# Allegro board FEE5_10_30.brd (continued)
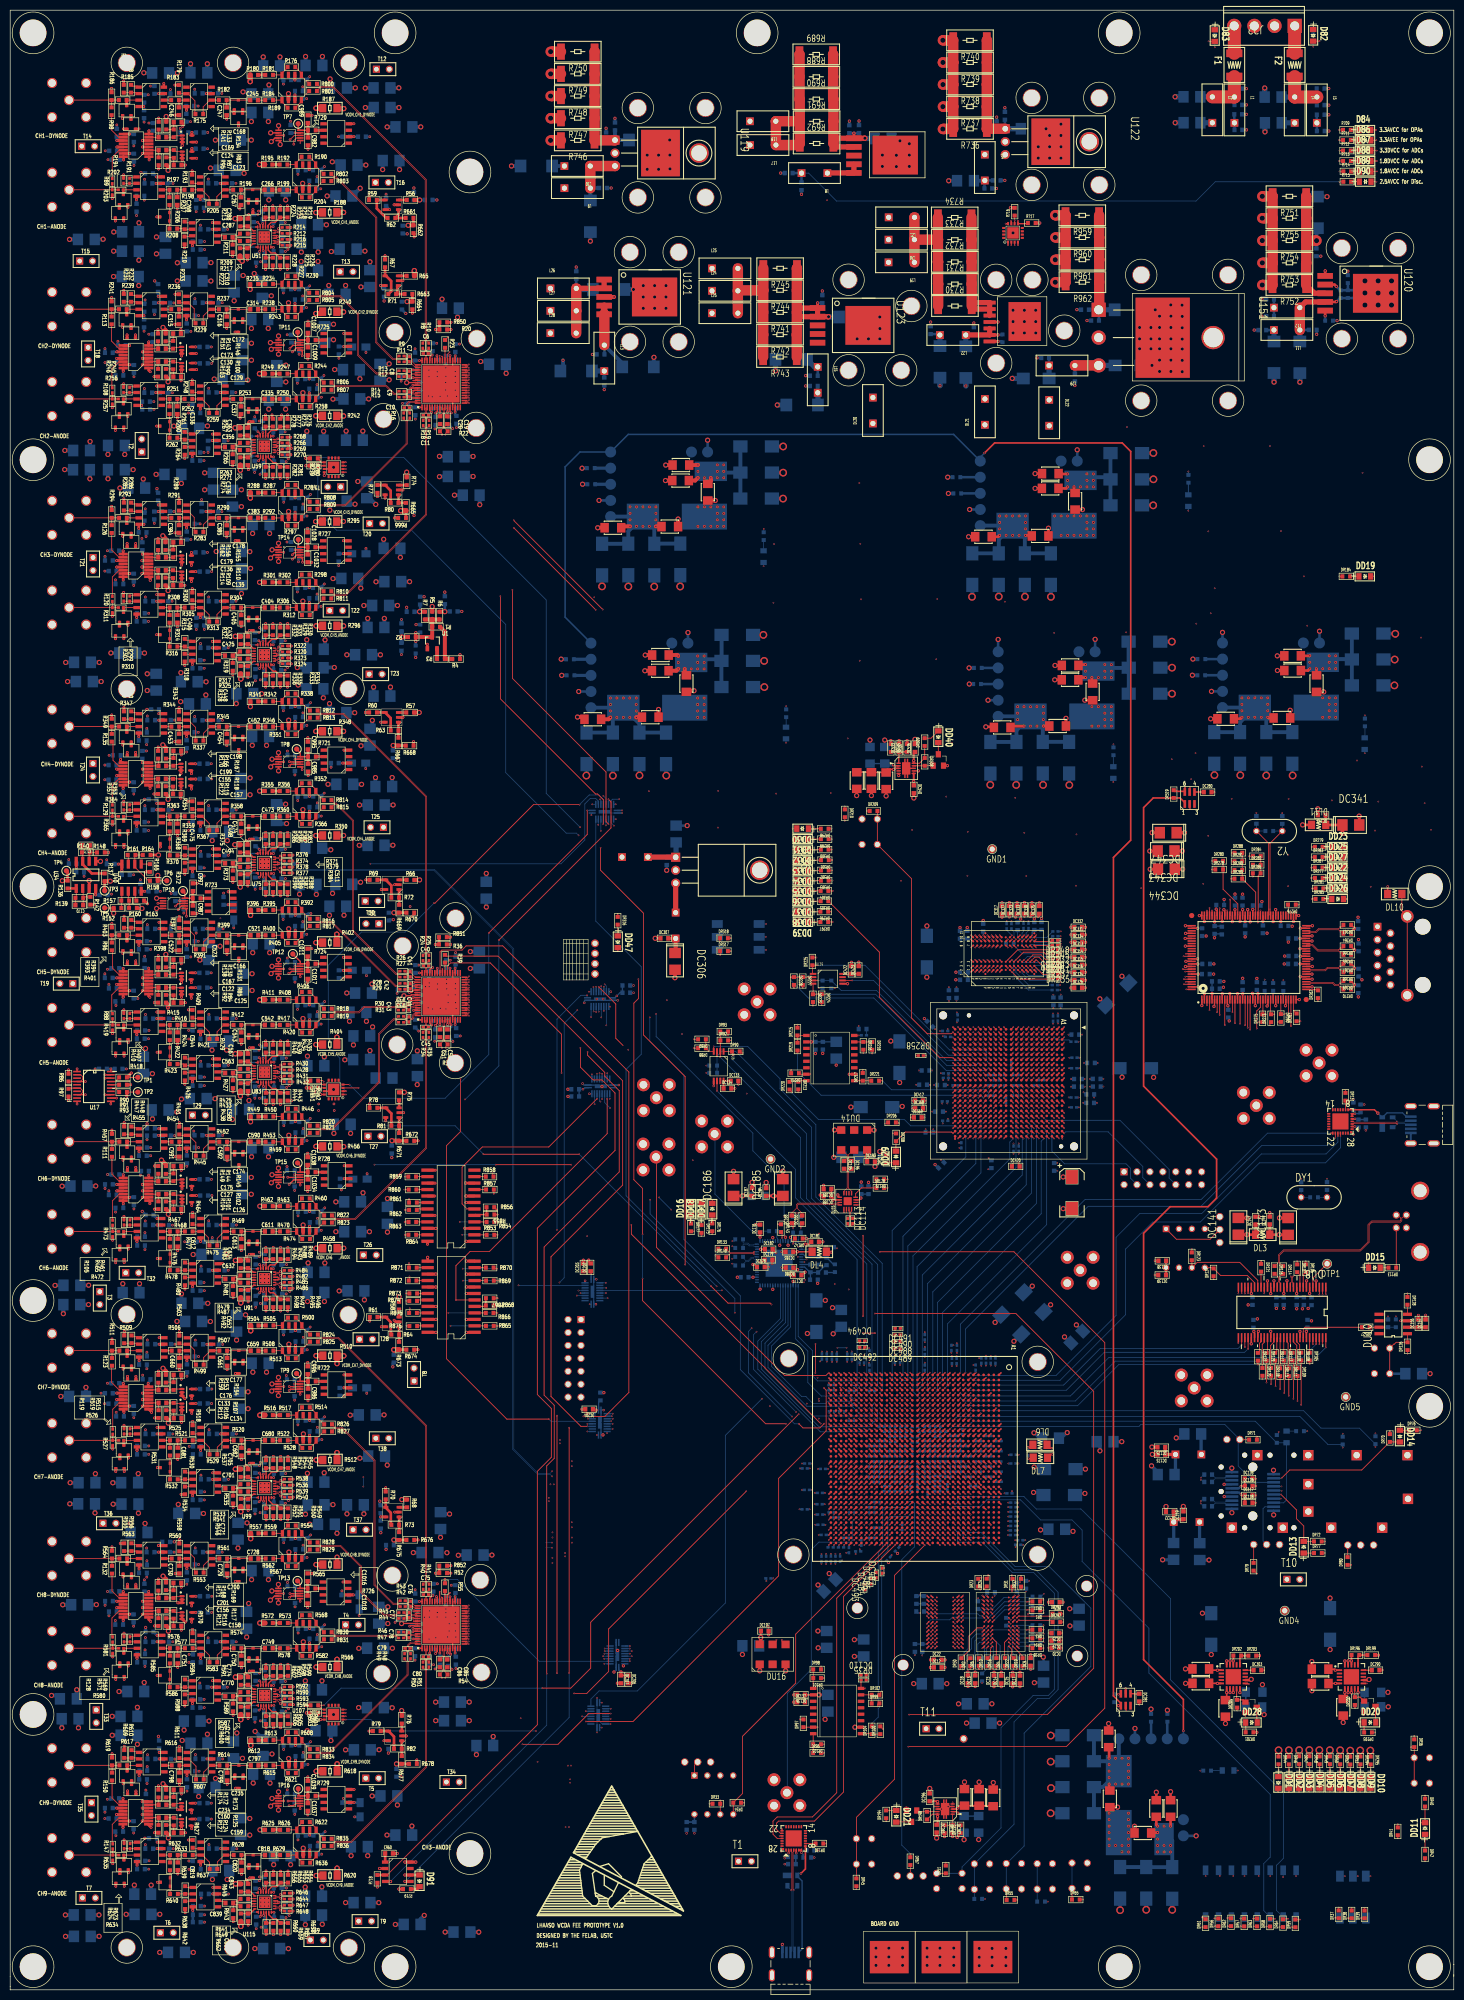
[diagram p0: board, top side]
## Placement (name value [footprint] x y rotation side) (continued)
J9  SMAREC  [SG0479]  220.11 8.81 180 bottom
J10  SMAREC  [SG0479]  220.11 -14.56 180 bottom
J11  SMAREC  [SG0479]  220.11 -32.18 180 bottom
J12  SMAREC  [SG0479]  220.12 -55.52 180 bottom
J13  SMAREC  [SG0479]  220.12 -73.16 180 bottom
J14  SMAREC  [SG0479]  220.12 -96.08 180 bottom
J15  SMAREC  [SG0479]  220.1 -113.71 180 bottom
J16  SMAREC  [SG0479]  220.1 -137.11 180 bottom
J17  SMAREC  [SG0479]  220.12 -154.73 180 bottom
J18  SMAREC  [SG0479]  220.11 -177.92 180 bottom
J19  SMAREC  [SG0479]  220.11 -195.54 180 bottom
J20  SMAREC  [SG0479]  220.11 -218.55 180 bottom
J21  SMAREC  [SG0479]  220.11 -236.17 180 bottom
J22  HEADER 4  [SIP-4P-156]  246.39 385.65 180 top
L1  10uH  [BL02RN2R1M2B]  240.49 369.14 270 top
L2  10uH  [BL02RN2R1M2B]  236.15 369.16 270 top
L4  10uH  [BL02RN2R1M2B]  252.33 369.14 270 top
L5  10uH  [BL02RN2R1M2B]  256.68 369.14 270 top
L8  10uH  [BL02RN2R1M2B]  158 356.74 180 top
L9  10uH  [BL02RN2R1M2B]  111.42 353.78 180 top
L10  10uH  [BL02RN2R1M2B]  111.41 358.12 180 top
L11  10uH  [BL02RN2R1M2B]  250.8 325.93 180 top
L12  10uH  [BL02RN2R1M2B]  250.8 330.32 180 top
L13  68uH  [BL02RN2R1M2B]  116.71 320.41 270 top
L14  10uH  [BL02RN2R1M2B]  191.46 357.82 270 top
L15  68uH  [BL02RN2R1M2B]  158.63 316.15 270 top
L17  10uH  [BL02RN2R1M2B]  147.88 362.24 180 top
L18  10uH  [BL02RN2R1M2B]  147.86 366.92 180 top
L19  10uH  [BL02RN2R1M2B]  175.09 339.21 180 top
L20  10uH  [BL02RN2R1M2B]  175.08 343.67 180 top
L21  10uH  [BL02RN2R1M2B]  175.11 348.05 180 top
L22  68uH  [BL02RN2R1M2B]  185.17 324.94 180 top
L23  68uH  [BL02RN2R1M2B]  140.41 338.03 0 top
L24  68uH  [BL02RN2R1M2B]  140.41 333.62 0 top
L25  68uH  [BL02RN2R1M2B]  140.41 329.22 0 top
L26  68uH  [BL02RN2R1M2B]  108.66 334.1 0 top
L27  68uH  [BL02RN2R1M2B]  108.66 329.69 0 top
L28  68uH  [BL02RN2R1M2B]  108.65 325.31 0 top
L29  10uH  [BL02RN2R1M2B]  206.61 318.96 180 top
NOREF  -  [unnamed]  34.78 98.75 0 top
NOREF#2  -  [unnamed]  2.59 87.8 0 top
NOREF#3  -  [unnamed]  -137.92 140.38 0 top
NOREF#4  -  [unnamed]  17.71 74.06 0 top
NOREF#5  -  [unnamed]  -112.8 86.24 0 top
NOREF#6  -  [unnamed]  -73.15 85.61 0 top
NOREF#7  -  [unnamed]  -137.92 -229.69 0 top
NOREF#8  -  [unnamed]  17.71 98.75 0 top
NOREF#9  -  [unnamed]  -3.66 97.78 0 top
NOREF#10  -  [unnamed]  -3.81 116.42 0 top
NOREF#11  -  [unnamed#2]  45.14 -19.59 0 top
NOREF#12  -  [unnamed]  -131.45 -175.93 0 top
NOREF#13  -  [unnamed]  -81.18 131.53 0 top
NOREF#14  -  [unnamed]  -127.38 -33.02 0 top
NOREF#15  -  [unnamed#2]  -229.18 148.05 0 top
NOREF#16  -  [unnamed#2]  -158.06 -231.68 0 top
NOREF#17  -  [#3]  101.64 13.33 0 top
NOREF#18  -  [unnamed]  9.48 133.5 0 top
NOREF#19  -  [unnamed#2]  -229.18 -182.15 0 top
NOREF#20  -  [unnamed#2]  -15.82 -231.68 0 top
NOREF#21  -  [unnamed#2]  -92.02 -231.68 0 top
NOREF#22  -  [unnamed]  -27.44 92.64 0 top
NOREF#23  -  [unnamed]  -181.57 140.38 0 top
NOREF#24  -  [unnamed#2]  -143.36 -209.47 0 top
NOREF#25  -  [unnamed]  -73.15 103.22 0 top
NOREF#26  -  [unnamed]  -50.62 -152.54 0 top
NOREF#27  -  [unnamed#2]  -15.82 148.05 0 top
NOREF#28  -  [unnamed]  -29.44 80.02 0 top
NOREF#29  -  [unnamed]  -67.89 131.53 0 top
NOREF#30  -  [unnamed]  57.12 86.21 0 top
NOREF#31  -  [unnamed#2]  45.17 -121.65 0 top
NOREF#32  -  [unnamed]  -3.81 133.5 0 top
NOREF#33  -  [unnamed]  -82.73 85.61 0 top
NOREF#34  -  [unnamed#2]  -86.94 148.05 0 top
NOREF#35  -  [unnamed]  34.78 74.06 0 top
NOREF#36  -  [#3]  0 388.73 0 top
NOREF#37  -  [unnamed]  -82.73 103.22 0 top
NOREF#38  -  [unnamed#2]  -229.18 -231.68 0 top
NOREF#39  -  [unnamed]  -160.69 140.38 0 top
NOREF#40  -  [unnamed#2]  45.14 64.23 0 top
NOREF#41  -  [unnamed]  57.12 104.01 0 top
NOREF#42  -  [unnamed#4]  -38.31 -176.74 0 top
NOREF#43  -  [unnamed]  -112.13 -157.54 0 top
NOREF#44  -  [unnamed]  -81.17 113.97 0 top
NOREF#45  -  [unnamed]  -117.06 -56.01 0 top
NOREF#46  -  [unnamed#2]  -143.36 120.73 0 top
NOREF#47  -  [unnamed]  -160.69 -229.69 0 top
NOREF#48  -  [unnamed]  -2.62 -152.54 0 top
NOREF#49  -  [unnamed#2]  -229.18 64.23 0 top
NOREF#50  -  [unnamed]  -128.92 87.5 0 top
NOREF#51  -  [unnamed#2]  -229.18 -100.87 0 top
NOREF#52  -  [unnamed]  -111.9 -175.65 0 top
NOREF#53  -  [unnamed#2]  -158.06 148.05 0 top
NOREF#54  -  [#3]  0 0 90 top
NOREF#55  -  [unnamed]  -131.15 70.4 0 top
NOREF#56  -  [unnamed]  -112.93 68.7 0 top
NOREF#57  -  [unnamed#4]  -29.32 -187.93 0 top
NOREF#58  -  [unnamed]  -138.01 -105.44 0 top
NOREF#59  -  [unnamed#4]  4.89 -186.17 0 top
NOREF#60  -  [unnamed]  -39.78 80.02 0 top
NOREF#61  -  [unnamed]  68.17 86.21 0 top
NOREF#62  -  [unnamed]  68.17 104.01 0 top
NOREF#63  -  [unnamed]  9.48 116.42 0 top
NOREF#64  -  [unnamed]  -129.39 -156.63 0 top
NOREF#65  -  [unnamed]  -67.89 113.97 0 top
NOREF#66  -  [unnamed]  -128.43 -52.39 0 top
NOREF#67  -  [unnamed]  -181.57 17.45 0 top
NOREF#68  -  [unnamed]  -39.78 97.8 0 top
NOREF#69  -  [unnamed#4]  6.74 -172.43 0 top
NOREF#70  -  [unnamed]  -181.57 -229.69 0 top
NOREF#71  -  [unnamed]  -10.78 97.78 0 top
NOREF#72  -  [unnamed]  -181.57 -105.36 0 top
NOREF#73  -  [unnamed]  -138.01 17.45 0 top
NOREF#74  -  [unnamed]  -2.62 -114.69 0 top
NOREF#75  -  [unnamed#2]  45.14 -231.68 0 top
NOREF#76  -  [unnamed]  -51.52 -114.03 0 top
NOREF#77  -  [unnamed]  -10.78 81.42 0 top
NOREF#78  -  [unnamed#2]  45.14 148.05 0 top
NOREF#79  -  [unnamed#2]  -229.18 -19.59 0 top
NOREF#80  -  [unnamed]  -116.99 -27.6 0 top
Q1  AO3400  [SOT-23]  267.09 55.67 270 top
Q2  AO3400  [SOT-23]  177.07 34.09 180 top
Q3  AO3400  [SOT-23]  243.77 55.48 270 top
Q5  AO3400  [SOT-23]  182.33 241.5 0 top
R1  10k  [SR0603]  83.67 267.64 0 top
R2  5k  [SR0603]  78.91 265.64 0 top
R3  470k  [SR0603]  84.63 261.33 0 top
R4  10k  [SR0603]  87.6 261.32 180 top
R5  0  [SR0603]  82.91 269.85 90 top
R6  0  [SR0603]  84.34 269.84 90 top
R7  0  [SR0603]  81.46 269.85 90 top
R8  33  [SR0402]  81.05 322.84 90 top
R9  33  [SR0402]  76.89 320.82 180 top
R10  33  [SR0402]  82.22 322.85 90 top
R11  33  [SR0402]  76.89 319.67 180 top
R12  33  [SR0402]  76.87 316.77 180 top
R13  33  [SR0402]  76.88 317.93 180 top
R14  33  [SR0402]  76.89 313.91 180 top
R15  33  [SR0402]  76.89 312.74 180 top
R16  33  [SR0402]  78.49 309.12 270 top
R17  33  [SR0402]  77.31 309.12 270 top
R18  33  [SR0402]  81.13 307.67 270 top
R19  33  [SR0402]  82.29 307.67 270 top
R20  10k  [SR0603]  85.08 326.02 0 top
R21  10k  [SR0603]  77.57 316.82 0 bottom
R22  100  [SR0603]  85.18 306.03 180 top
R23  10k  [SR0603]  85.42 323.2 270 top
R24  33  [SR0402]  81.1 202.61 90 top
R25  33  [SR0402]  82.26 202.62 90 top
R26  33  [SR0402]  77.05 200.03 180 top
R27  33  [SR0402]  77.06 198.86 180 top
R28  33  [SR0402]  77.06 197.63 180 top
R29  33  [SR0402]  77.06 196.47 180 top
R30  33  [SR0402]  76.76 193.56 180 top
R31  33  [SR0402]  76.76 192.38 180 top
R32  33  [SR0402]  76.78 191.15 180 top
R33  33  [SR0402]  76.79 189.99 180 top
R34  33  [SR0402]  81.1 187.52 270 top
R35  33  [SR0402]  82.26 187.51 270 top
R36  10k  [SR0603]  85.01 205.27 0 top
R37  10k  [SR0603]  76.91 196.45 0 bottom
R38  100  [SR0603]  85.18 185.63 180 top
R39  10k  [SR0603]  85.41 202.47 270 top
R40  33  [SR0402]  81.13 79.14 90 top
R41  33  [SR0402]  82.29 79.15 90 top
R42  33  [SR0402]  77.1 75.26 180 top
R43  33  [SR0402]  77.11 76.42 180 top
R44  33  [SR0402]  76.85 72.92 180 top
R45  33  [SR0402]  76.86 74.08 180 top
R46  33  [SR0402]  76.79 70.26 180 top
R47  33  [SR0402]  76.8 69.09 180 top
R48  33  [SR0402]  78.65 65.51 270 top
R49  33  [SR0402]  77.48 65.51 270 top
R50  33  [SR0402]  81.1 63.85 270 top
R51  33  [SR0402]  82.25 63.85 270 top
R52  10k  [SR0603]  85.06 81.83 0 top
R53  10k  [SR0603]  77.36 73.15 0 bottom
R54  100  [SR0603]  85.15 61.92 180 top
R55  10k  [SR0603]  85.41 79.07 270 top
R56  50  [SR0603]  78.66 351.46 180 top
R57  50  [SR0603]  78.58 250.82 180 top
R58  50  [SR0603]  76.39 134.36 270 top
R59  50  [SR0603]  71.26 351.45 0 top
R60  50  [SR0603]  71.28 250.83 0 top
R61  50  [SR0603]  71.4 132.11 0 top
R62  50  [SR0603]  74.9 347.93 0 top
R63  50  [SR0603]  75.51 247.29 0 top
R64  50  [SR0603]  75.64 128.65 0 top
R65  50  [SR0603]  78.65 336.56 180 top
R66  50  [SR0603]  78.64 217.94 180 top
R67  50  [SR0603]  73.64 339.01 270 top
R68  50  [SR0603]  77.96 95.5 270 top
R69  50  [SR0603]  71.37 217.96 0 top
R70  50  [SR0603]  73.77 97.08 270 top
R71  50  [SR0603]  75.04 332.97 0 top
R72  50  [SR0603]  75.63 214.47 0 top
R73  50  [SR0603]  75.64 91.3 0 top
R74  50  [SR0603]  77.89 296.24 270 top
R75  50  [SR0603]  76.38 175.47 270 top
R76  50  [SR0603]  76.93 53.05 270 top
R77  50  [SR0603]  72.15 294.71 90 top
R78  50  [SR0603]  71.37 173.18 0 top
R79  50  [SR0603]  72.01 50.81 0 top
R80  50  [SR0603]  75.51 291.99 0 top
R81  50  [SR0603]  75.64 169.67 0 top
R82  50  [SR0603]  76.16 47.33 0 top
R83  100k  [SR0603]  32.14 360.5 90 top
R84  10  [SR0603]  30.61 194.6 270 top
R85  100k  [SR0603]  32.08 196.03 90 top
R86  50  [SR0603]  11.46 179.12 90 top
R87  10  [SR0603]  30.69 359.06 270 top
R88  0  [SR0402]  20.1 191.18 270 top
R89  0  [SR0402]  20.04 355.17 270 top
R90  33  [SR0603]  22.17 179.17 180 top
R91  33  [SR0603]  22.16 177.72 0 top
R92  150  [SR0603]  29.09 194.61 90 top
R93  33  [SR0603]  22.17 176.28 0 top
R95  150  [SR0603]  29.16 359.06 90 top
R96  0  [SR0603]  19.97 204.88 90 top
R97  50  [SR0603]  11.46 176.17 90 top
R98  0  [SR0603]  19.91 368.88 90 top
R99  10  [SR0603]  30.59 317.53 270 top
R100  100k  [SR0603]  32.03 318.97 90 top
R101  10  [SR0603]  30.62 154.05 270 top
R102  100k  [SR0603]  32.09 155.5 90 top
R103  150  [SR0603]  29.04 317.53 90 top
R104  150  [SR0603]  29.11 154.06 90 top
R105  0  [SR0402]  20.12 150.62 270 top
R106  10  [SR0603]  30.65 113.05 270 top
R107  100k  [SR0603]  32.12 114.49 90 top
R108  0  [SR0402]  20.06 314.08 270 top
R109  10  [SR0603]  30.51 276.53 90 top
R110  100k  [SR0603]  32 278 90 top
R111  0  [SR0603]  19.99 164.34 90 top
R112  150  [SR0603]  29.14 113.05 90 top
R113  0  [SR0603]  19.92 327.81 90 top
R114  150  [SR0603]  29.06 276.56 90 top
R115  10  [SR0603]  30.57 235.58 270 top
R116  10  [SR0603]  30.66 72.21 270 top
R117  100k  [SR0603]  32.1 73.66 90 top
R118  1k  [SR0603]  32.01 237.03 90 top
R119  0  [SR0402]  20.15 109.59 270 top
R120  0  [SR0402]  20.07 273.12 270 top
R121  150  [SR0603]  29.12 72.22 90 top
R122  150  [SR0603]  29.07 235.58 90 top
R123  0  [SR0603]  20.01 123.31 90 top
R124  10  [SR0603]  30.64 31.59 270 top
R125  100k  [SR0603]  32.13 33.04 90 top
R126  0  [SR0603]  19.94 286.84 90 top
R127  150  [SR0603]  29.14 31.6 90 top
R128  0  [SR0402]  20.12 68.78 270 top
R129  0  [SR0402]  20.09 232.15 270 top
R130  10  [SR0603]  30.59 201.54 90 top
R131  100k  [SR0603]  32.08 200.1 270 top
R132  0  [SR0603]  20 82.49 90 top
R133  10  [SR0603]  30.67 366.07 90 top
R134  100k  [SR0603]  32.13 364.55 270 top
R135  0  [SR0603]  19.95 245.85 90 top
R136  0  [SR0603]  11.29 217.03 270 top
R137  0  [SR0603]  18.55 218.46 270 top
R138  150  [SR0603]  29.08 201.55 270 top
R139  1k  [SR0603]  13.58 214.42 180 top
R140  1k  [SR0603]  14.86 223.33 180 top
R141  150  [SR0603]  29.17 366.04 270 top
R142  1k  [SR0603]  15.75 213.85 90 top
R143  10  [SR0603]  30.54 324.46 90 top
R144  10  [SR0603]  30.58 160.99 90 top
R145  100k  [SR0603]  32.08 159.55 270 top
R146  100k  [SR0603]  32.01 323.02 270 top
R147  0  [SR0402]  20.15 28.16 270 top
R148  1k  [SR0603]  17.82 223.33 180 top
R149  150  [SR0603]  29.1 161 270 top
R150  0  [SR0603]  20.02 41.88 90 top
R151  150  [SR0603]  29.03 324.47 270 top
R152  0  [SR0603]  21.08 212.44 0 top
R153  10  [SR0603]  30.58 120 90 top
R154  100k  [SR0603]  32.1 118.56 270 top
R155  100k  [SR0603]  32.03 282.05 270 top
R156  10  [SR0603]  30.51 283.49 270 top
R157  1k  [SR0603]  22.59 213.88 180 top
R158  0  [SR0603]  28.22 217.79 0 top
R159  150  [SR0603]  29.11 119.97 270 top
R160  1k  [SR0603]  24.11 212.45 180 top
R161  1k  [SR0603]  23.84 222.84 0 top
R162  150  [SR0603]  29.05 283.5 270 top
R163  50  [SR0603]  25.54 213.87 180 top
R164  1k  [SR0603]  26.81 222.84 0 top
R165  50  [SR0603]  27.43 220.28 90 top
R166  10  [SR0603]  30.62 242.53 90 top
R167  1k  [SR0603]  32.07 241.11 270 top
R168  10  [SR0603]  30.62 79.24 90 top
R169  100k  [SR0603]  32.08 77.7 270 top
R170  150  [SR0603]  29.06 242.52 270 top
R171  150  [SR0603]  29.1 79.15 270 top
R172  10  [SR0603]  30.63 38.53 90 top
R173  100k  [SR0603]  32.12 37.09 270 top
R174  150  [SR0603]  29.12 38.54 270 top
R175  5k  [SR0603]  37.15 368.33 0 top
R176  1.2k  [SR0603]  55.25 377.55 0 top
R177  100  [SR0603]  22.31 373.3 270 top
R178  500  [SR0603]  23.74 373.3 90 top
R179  1k  [SR0603]  33.14 373.26 270 top
R180  0  [SR0603]  47.92 376.02 0 top
R181  560  [SR0603]  50.87 376.02 0 top
R182  400  [SR0603]  41.76 371.06 0 top
R183  400  [SR0603]  32.39 371.07 0 top
R184  560  [SR0603]  50.86 371.06 0 top
R185  500  [SR0603]  22.12 371.08 0 top
R186  50  [SR0603]  19.91 371.84 90 top
R187  0  [SR1206]  62.79 369.49 180 top
R188  0  [SR1206]  62.76 349.02 180 top
R189  1.2k  [SR0603]  55.24 369.57 0 top
R190  1.6k  [SR0603]  58 359.94 0 top
R191  500  [SR0402]  23.44 355.22 90 top
R192  560  [SR0603]  53.69 358.42 0 top
R193  50  [SR0603]  35.75 355.66 270 top
R194  100  [SR0402]  22.27 355.23 270 top
R195  0  [SR0603]  50.74 358.42 0 top
R196  400  [SR0603]  44.57 353.46 0 top
R197  400  [SR0603]  32.05 353.46 0 top
R198  1k  [SR0603]  35.01 353.46 0 top
R199  560  [SR0603]  53.68 353.46 0 top
R200  100  [SR0402]  161.33 118.76 0 bottom
R201  100  [SR0402]  161.33 117.74 0 bottom
R202  500  [SR0402]  21.72 353.46 0 top
R203  50  [SR0402]  20.04 352.96 270 top
R204  1.6k  [SR0603]  58.05 351.97 0 top
R205  5k  [SR0603]  39.83 350.71 0 top
R206  400  [SR0603]  34.27 346.46 270 top
R207  100  [SR0603]  31.29 351.24 270 top
R208  100  [SR0603]  32.06 345.83 0 top
R209  0  [SR0603]  45.9 344.84 180 top
R210  50  [SR0603]  34.25 343.52 270 top
R211  50  [SR0603]  43.7 341.93 90 top
R212  400  [SR0402]  53.93 344.91 180 top
R213  0  [SR0603]  45.22 347.04 90 top
R214  400  [SR0402]  53.93 346.08 0 top
R215  400  [SR0402]  53.93 343.74 180 top
R216  400  [SR0402]  53.93 342.57 0 top
R217  0  [SR0603]  45.9 343.42 180 top
R218  5k  [SR0603]  53.03 348.8 90 top
R219  1k  [SR0603]  54.47 348.8 270 top
R220  10k  [SR0402]  47.05 345.32 270 bottom
R221  10k  [SR0402]  47.05 342.93 90 bottom
R222  0  [SR0603]  45.14 341.23 270 top
R223  1k  [SR0603]  51.59 348.8 90 top
R224  5k  [SR0603]  50.15 348.8 270 top
R225  5k  [SR0603]  53.03 339.36 270 top
R226  1k  [SR0603]  54.45 339.35 90 top
R227  1k  [SR0603]  51.6 339.36 270 top
R228  5k  [SR0603]  50.17 339.36 90 top
R229  5k  [SR0603]  37.16 327.26 0 top
R230  1.2k  [SR0603]  55.26 336.48 0 top
R231  100  [SR0603]  22.32 332.23 270 top
R232  500  [SR0603]  23.75 332.23 90 top
R233  1k  [SR0603]  33.15 332.19 270 top
R234  560  [SR0603]  50.88 334.95 0 top
R235  0  [SR0603]  47.93 334.95 0 top
R236  400  [SR0603]  32.4 330 0 top
R237  400  [SR0603]  41.77 329.99 0 top
R238  560  [SR0603]  50.87 329.99 0 top
R239  500  [SR0603]  22.13 330.01 0 top
R240  0  [SR1206]  62.77 329.52 180 top
R241  50  [SR0603]  19.92 330.77 90 top
R242  0  [SR1206]  62.75 309.06 180 top
R243  1.2k  [SR0603]  55.25 328.5 0 top
R244  1.6k  [SR0603]  58.01 318.87 0 top
R245  500  [SR0402]  23.45 314.16 90 top
R246  100  [SR0402]  22.28 314.16 270 top
R247  560  [SR0603]  53.7 317.35 0 top
R248  50  [SR0603]  35.76 314.59 270 top
R249  0  [SR0603]  50.75 317.35 0 top
R250  560  [SR0603]  53.69 312.39 0 top
R251  400  [SR0603]  32.06 312.39 0 top
R252  1k  [SR0603]  35.02 312.39 0 top
R253  400  [SR0603]  44.58 312.39 0 top
R254  100  [SR0402]  165.28 117.6 0 bottom
R255  100  [SR0402]  161.43 113.59 0 bottom
R256  500  [SR0402]  21.73 312.39 0 top
R257  50  [SR0402]  20.05 311.89 270 top
R258  1.6k  [SR0603]  58.06 310.9 0 top
R259  5k  [SR0603]  39.84 309.64 0 top
R260  400  [SR0603]  34.27 305.16 270 top
R261  100  [SR0603]  31.3 310.17 270 top
R262  100  [SR0603]  32.07 304.76 0 top
R263  0  [SR0603]  45.91 303.77 180 top
R264  50  [SR0603]  34.29 302.2 270 top
R265  50  [SR0603]  43.71 300.76 90 top
R266  400  [SR0402]  53.93 303.74 180 top
R267  0  [SR0603]  45.2 305.97 90 top
R268  400  [SR0402]  53.93 304.89 0 top
R269  400  [SR0402]  53.93 302.57 180 top
R270  400  [SR0402]  53.93 301.4 0 top
R271  0  [SR0603]  45.91 302.35 180 top
R272  10k  [SR0402]  47.43 304.55 270 bottom
R273  10k  [SR0402]  47.48 301.68 90 bottom
R274  0  [SR0603]  45.22 300.15 270 top
R275  5k  [SR0603]  53.04 307.73 90 top
R276  1k  [SR0603]  54.48 307.73 270 top
R277  1k  [SR0603]  51.6 307.73 90 top
R278  5k  [SR0603]  50.16 307.73 270 top
R279  5k  [SR0603]  53.04 298.3 270 top
R280  1k  [SR0603]  54.46 298.29 90 top
R281  1k  [SR0603]  51.61 298.3 270 top
R282  5k  [SR0603]  50.18 298.29 90 top
R283  5k  [SR0603]  37.18 286.29 0 top
R284  1.2k  [SR0603]  55.27 295.51 0 top
R285  100  [SR0603]  22.34 291.26 270 top
R286  500  [SR0603]  23.77 291.26 90 top
R287  560  [SR0603]  50.9 293.98 0 top
R288  0  [SR0603]  47.95 293.98 0 top
R289  1k  [SR0603]  33.17 291.22 270 top
R290  400  [SR0603]  41.79 289.02 0 top
R291  400  [SR0603]  32.42 289.03 0 top
R292  560  [SR0603]  50.89 289.02 0 top
R293  500  [SR0603]  22.15 289.04 0 top
R294  50  [SR0603]  19.94 289.8 90 top
R295  0  [SR1206]  62.74 288.31 180 top
R296  0  [SR1206]  62.77 267.83 180 top
R297  1.2k  [SR0603]  55.27 287.53 0 top
R298  1.6k  [SR0603]  58.03 277.9 0 top
R299  500  [SR0402]  23.47 273.18 90 top
R300  50  [SR0603]  35.77 273.62 270 top
R301  0  [SR0603]  50.76 276.38 0 top
R302  560  [SR0603]  53.72 276.38 0 top
R303  100  [SR0402]  22.3 273.19 270 top
R304  400  [SR0603]  44.6 271.42 0 top
R305  1k  [SR0603]  35.03 271.42 0 top
R306  560  [SR0603]  53.71 271.42 0 top
R307  100  [SR0402]  165.3 111.75 0 bottom
R308  400  [SR0603]  32.08 271.42 0 top
R309  100  [SR0402]  163.44 113.6 0 bottom
R310  500  [SR0402]  21.75 271.42 0 top
R311  50  [SR0402]  20.07 270.92 270 top
R312  1.6k  [SR0603]  58.08 269.93 0 top
R313  5k  [SR0603]  39.86 268.67 0 top
R314  400  [SR0603]  34.29 264.53 270 top
R315  100  [SR0603]  31.31 269.2 270 top
R316  100  [SR0603]  32.09 263.77 0 top
R317  0  [SR0603]  45.92 262.8 180 top
R318  50  [SR0603]  34.28 261.58 270 top
R319  50  [SR0603]  43.73 259.79 90 top
R320  400  [SR0402]  54 262.7 180 top
R321  0  [SR0603]  45.27 265 90 top
R322  400  [SR0402]  54.01 263.88 0 top
R323  400  [SR0402]  54.01 261.53 180 top
R324  400  [SR0402]  54.01 260.38 0 top
R325  0  [SR0603]  45.93 261.38 180 top
R326  10k  [SR0603]  46.6 263.38 270 bottom
R327  10k  [SR0603]  46.61 260.42 90 bottom
R328  0  [SR0603]  45.27 259.18 270 top
R329  5k  [SR0603]  53.06 266.76 90 top
R330  1k  [SR0603]  54.5 266.76 270 top
R331  1k  [SR0603]  51.62 266.76 90 top
R332  5k  [SR0603]  50.18 266.76 270 top
R333  5k  [SR0603]  53.06 257.33 270 top
R334  1k  [SR0603]  54.47 257.32 90 top
R335  1k  [SR0603]  51.63 257.33 270 top
R336  5k  [SR0603]  50.2 257.32 90 top
R337  5k  [SR0603]  37.19 245.31 0 top
R338  1.2k  [SR0603]  55.28 254.53 0 top
R339  100  [SR0603]  22.35 250.28 270 top
R340  500  [SR0603]  23.78 250.28 90 top
R341  0  [SR0603]  47.96 252.99 0 top
R342  560  [SR0603]  50.91 253 0 top
R343  1k  [SR0603]  33.18 250.24 270 top
R344  400  [SR0603]  32.43 248.05 0 top
R345  400  [SR0603]  41.8 248.04 0 top
R346  560  [SR0603]  50.9 248.04 0 top
R347  500  [SR0603]  22.16 248.06 0 top
R348  0  [SR1206]  62.76 247.14 180 top
R349  50  [SR0603]  19.95 248.82 90 top
R350  0  [SR1206]  62.77 226.66 180 top
R351  1.2k  [SR0603]  55.28 246.55 0 top
R352  1.6k  [SR0603]  58.04 236.91 0 top
R353  500  [SR0402]  23.48 232.2 90 top
R354  50  [SR0603]  35.79 232.64 270 top
R355  0  [SR0603]  50.77 235.39 0 top
R356  560  [SR0603]  53.73 235.39 0 top
R357  100  [SR0402]  22.31 232.2 270 top
R358  400  [SR0603]  44.61 230.44 0 top
R359  1k  [SR0603]  35.04 230.44 0 top
R360  560  [SR0603]  53.72 230.43 0 top
R361  100  [SR0402]  161.16 86.89 0 bottom
R362  100  [SR0402]  161.36 93.75 0 bottom
R363  400  [SR0603]  32.09 230.44 0 top
R364  500  [SR0402]  21.76 230.44 0 top
R365  50  [SR0402]  20.08 229.93 270 top
R366  1.6k  [SR0603]  58.09 228.95 0 top
R367  5k  [SR0603]  39.87 227.69 0 top
R368  400  [SR0603]  34.32 223.51 270 top
R369  100  [SR0603]  31.32 228.22 270 top
R370  100  [SR0603]  32.11 222.76 0 top
R371  0  [SR0603]  45.93 221.92 180 top
R372  50  [SR0603]  34.3 220.57 270 top
R373  50  [SR0603]  43.75 219.03 90 top
R374  400  [SR0402]  54.33 221.66 180 top
R375  0  [SR0603]  45.18 224.1 90 top
R376  400  [SR0402]  54.33 222.82 0 top
R377  400  [SR0402]  54.33 220.47 180 top
R378  400  [SR0402]  54.33 219.3 0 top
R379  0  [SR0603]  45.94 220.49 180 top
R380  10k  [SR0603]  46.6 222.29 270 bottom
R381  10k  [SR0603]  46.61 219.34 90 bottom
R382  5k  [SR0603]  53.07 225.78 90 top
R383  1k  [SR0603]  54.51 225.78 270 top
R384  0  [SR0603]  45.24 218.3 270 top
R385  1k  [SR0603]  51.63 225.78 90 top
R386  5k  [SR0603]  50.19 225.77 270 top
R387  5k  [SR0603]  53.07 216.34 270 top
R388  1k  [SR0603]  54.48 216.33 90 top
R389  1k  [SR0603]  51.64 216.34 270 top
R390  5k  [SR0603]  50.21 216.34 90 top
R391  5k  [SR0603]  37.21 204.34 0 top
R392  1.2k  [SR0603]  55.3 213.56 0 top
R393  100  [SR0603]  22.37 209.31 270 top
R394  500  [SR0603]  23.8 209.31 90 top
R395  560  [SR0603]  50.93 212.03 0 top
R396  0  [SR0603]  47.98 212.02 0 top
R397  1k  [SR0603]  33.2 209.27 270 top
R398  400  [SR0603]  32.45 207.08 0 top
R399  400  [SR0603]  41.82 207.07 0 top
R400  560  [SR0603]  50.92 207.07 0 top
R401  500  [SR0603]  22.18 207.09 0 top
R402  0  [SR1206]  62.78 205.64 180 top
R403  50  [SR0603]  19.97 207.85 90 top
R404  0  [SR1206]  62.78 185.61 180 top
R405  1.2k  [SR0603]  55.3 205.58 0 top
R406  1.6k  [SR0603]  58.06 195.94 0 top
R407  500  [SR0402]  23.5 191.23 90 top
R408  560  [SR0603]  53.75 194.42 0 top
R409  50  [SR0603]  35.81 191.67 270 top
R410  100  [SR0402]  22.33 191.23 270 top
R411  0  [SR0603]  50.79 194.42 0 top
R412  400  [SR0603]  44.63 189.47 0 top
R413  100  [SR0402]  164.21 88.74 0 bottom
R414  100  [SR0402]  165.42 93.73 0 bottom
R415  400  [SR0603]  32.11 189.47 0 top
R416  1k  [SR0603]  35.06 189.47 0 top
R417  560  [SR0603]  53.74 189.46 0 top
R418  500  [SR0402]  21.78 189.47 0 top
R419  50  [SR0402]  20.1 188.96 270 top
R420  1.6k  [SR0603]  58.11 187.98 0 top
R421  5k  [SR0603]  39.89 186.72 0 top
R422  400  [SR0603]  34.32 182.28 270 top
R423  100  [SR0603]  32.11 181.8 0 top
R424  100  [SR0603]  31.35 187.25 270 top
R425  0  [SR0603]  45.96 180.85 180 top
R426  50  [SR0603]  34.31 179.33 270 top
R427  50  [SR0603]  43.76 177.84 90 top
R428  400  [SR0402]  54.35 180.62 180 top
R429  0  [SR0603]  45.26 183.05 90 top
R430  400  [SR0402]  54.34 181.8 0 top
R431  400  [SR0402]  54.34 179.45 180 top
R432  400  [SR0402]  54.34 178.28 0 top
R433  0  [SR0603]  45.96 179.43 180 top
R434  5k  [SR0603]  53.09 184.81 90 top
R435  1k  [SR0603]  54.53 184.81 270 top
R436  10k  [SR0603]  46.65 181.47 270 bottom
R437  10k  [SR0603]  46.64 178.62 90 bottom
R438  0  [SR0603]  45.26 177.26 270 top
R439  1k  [SR0603]  51.65 184.81 90 top
R440  5k  [SR0603]  50.21 184.8 270 top
R441  5k  [SR0603]  53.09 175.37 270 top
R442  1k  [SR0603]  54.5 175.36 90 top
R443  1k  [SR0603]  51.66 175.37 270 top
R444  5k  [SR0603]  50.23 175.37 90 top
R445  5k  [SR0603]  37.23 163.79 0 top
R446  1.2k  [SR0603]  55.33 173.01 0 top
R447  100  [SR0603]  22.39 168.76 270 top
R448  500  [SR0603]  23.82 168.76 90 top
R449  0  [SR0603]  48 171.48 0 top
R450  560  [SR0603]  50.95 171.48 0 top
R451  1k  [SR0603]  33.22 168.72 270 top
R452  400  [SR0603]  41.84 166.52 0 top
R453  560  [SR0603]  50.94 166.52 0 top
R454  400  [SR0603]  32.47 166.53 0 top
R455  500  [SR0603]  22.2 166.54 0 top
R456  0  [SR1206]  62.79 165.61 180 top
R457  50  [SR0603]  19.99 167.3 90 top
R458  0  [SR1206]  62.81 145.62 180 top
R459  1.2k  [SR0603]  55.32 165.03 0 top
R460  1.6k  [SR0603]  58.08 155.39 0 top
R461  500  [SR0402]  23.52 150.68 90 top
R462  0  [SR0603]  50.81 153.88 0 top
R463  560  [SR0603]  53.77 153.88 0 top
R464  50  [SR0603]  35.83 151.12 270 top
R465  100  [SR0402]  22.35 150.69 270 top
R466  100  [SR0402]  163.21 86.88 0 bottom
R467  400  [SR0603]  32.13 148.92 0 top
R468  1k  [SR0603]  35.08 148.92 0 top
R469  400  [SR0603]  44.65 148.92 0 top
R470  560  [SR0603]  53.76 148.92 0 top
R471  100  [SR0402]  162.32 92.73 0 bottom
R472  500  [SR0402]  21.8 148.92 0 top
R473  50  [SR0402]  20.12 148.42 270 top
R474  1.6k  [SR0603]  58.13 147.43 0 top
R475  5k  [SR0603]  39.91 146.17 0 top
R476  400  [SR0603]  34.34 142.06 270 top
R477  100  [SR0603]  31.37 146.7 270 top
R478  100  [SR0603]  32.14 141.3 0 top
R479  0  [SR0603]  45.98 140.28 180 top
R480  50  [SR0603]  34.33 139.12 270 top
R481  50  [SR0603]  43.79 137.41 90 top
R482  400  [SR0402]  54.35 140.1 180 top
R483  0  [SR0603]  45.29 142.46 90 top